# Altium PCB PCB.PcbDoc (part 3 of 4)
Units mil, origin at the board's own origin, x right, y up, seen from the top; angles counter-clockwise.
Board outline 2125.98 x 1181.1 mil, 6 copper layers (Top Layer, Inner Layer 1, Inner Layer 2, Inner Layer 3, Inner Layer 4, Bottom Layer), stack 60.866 mil thick; 220 components, 147 nets, 863 pads, 1478 vias.
Unrouted connection lines stored in the file: 463.
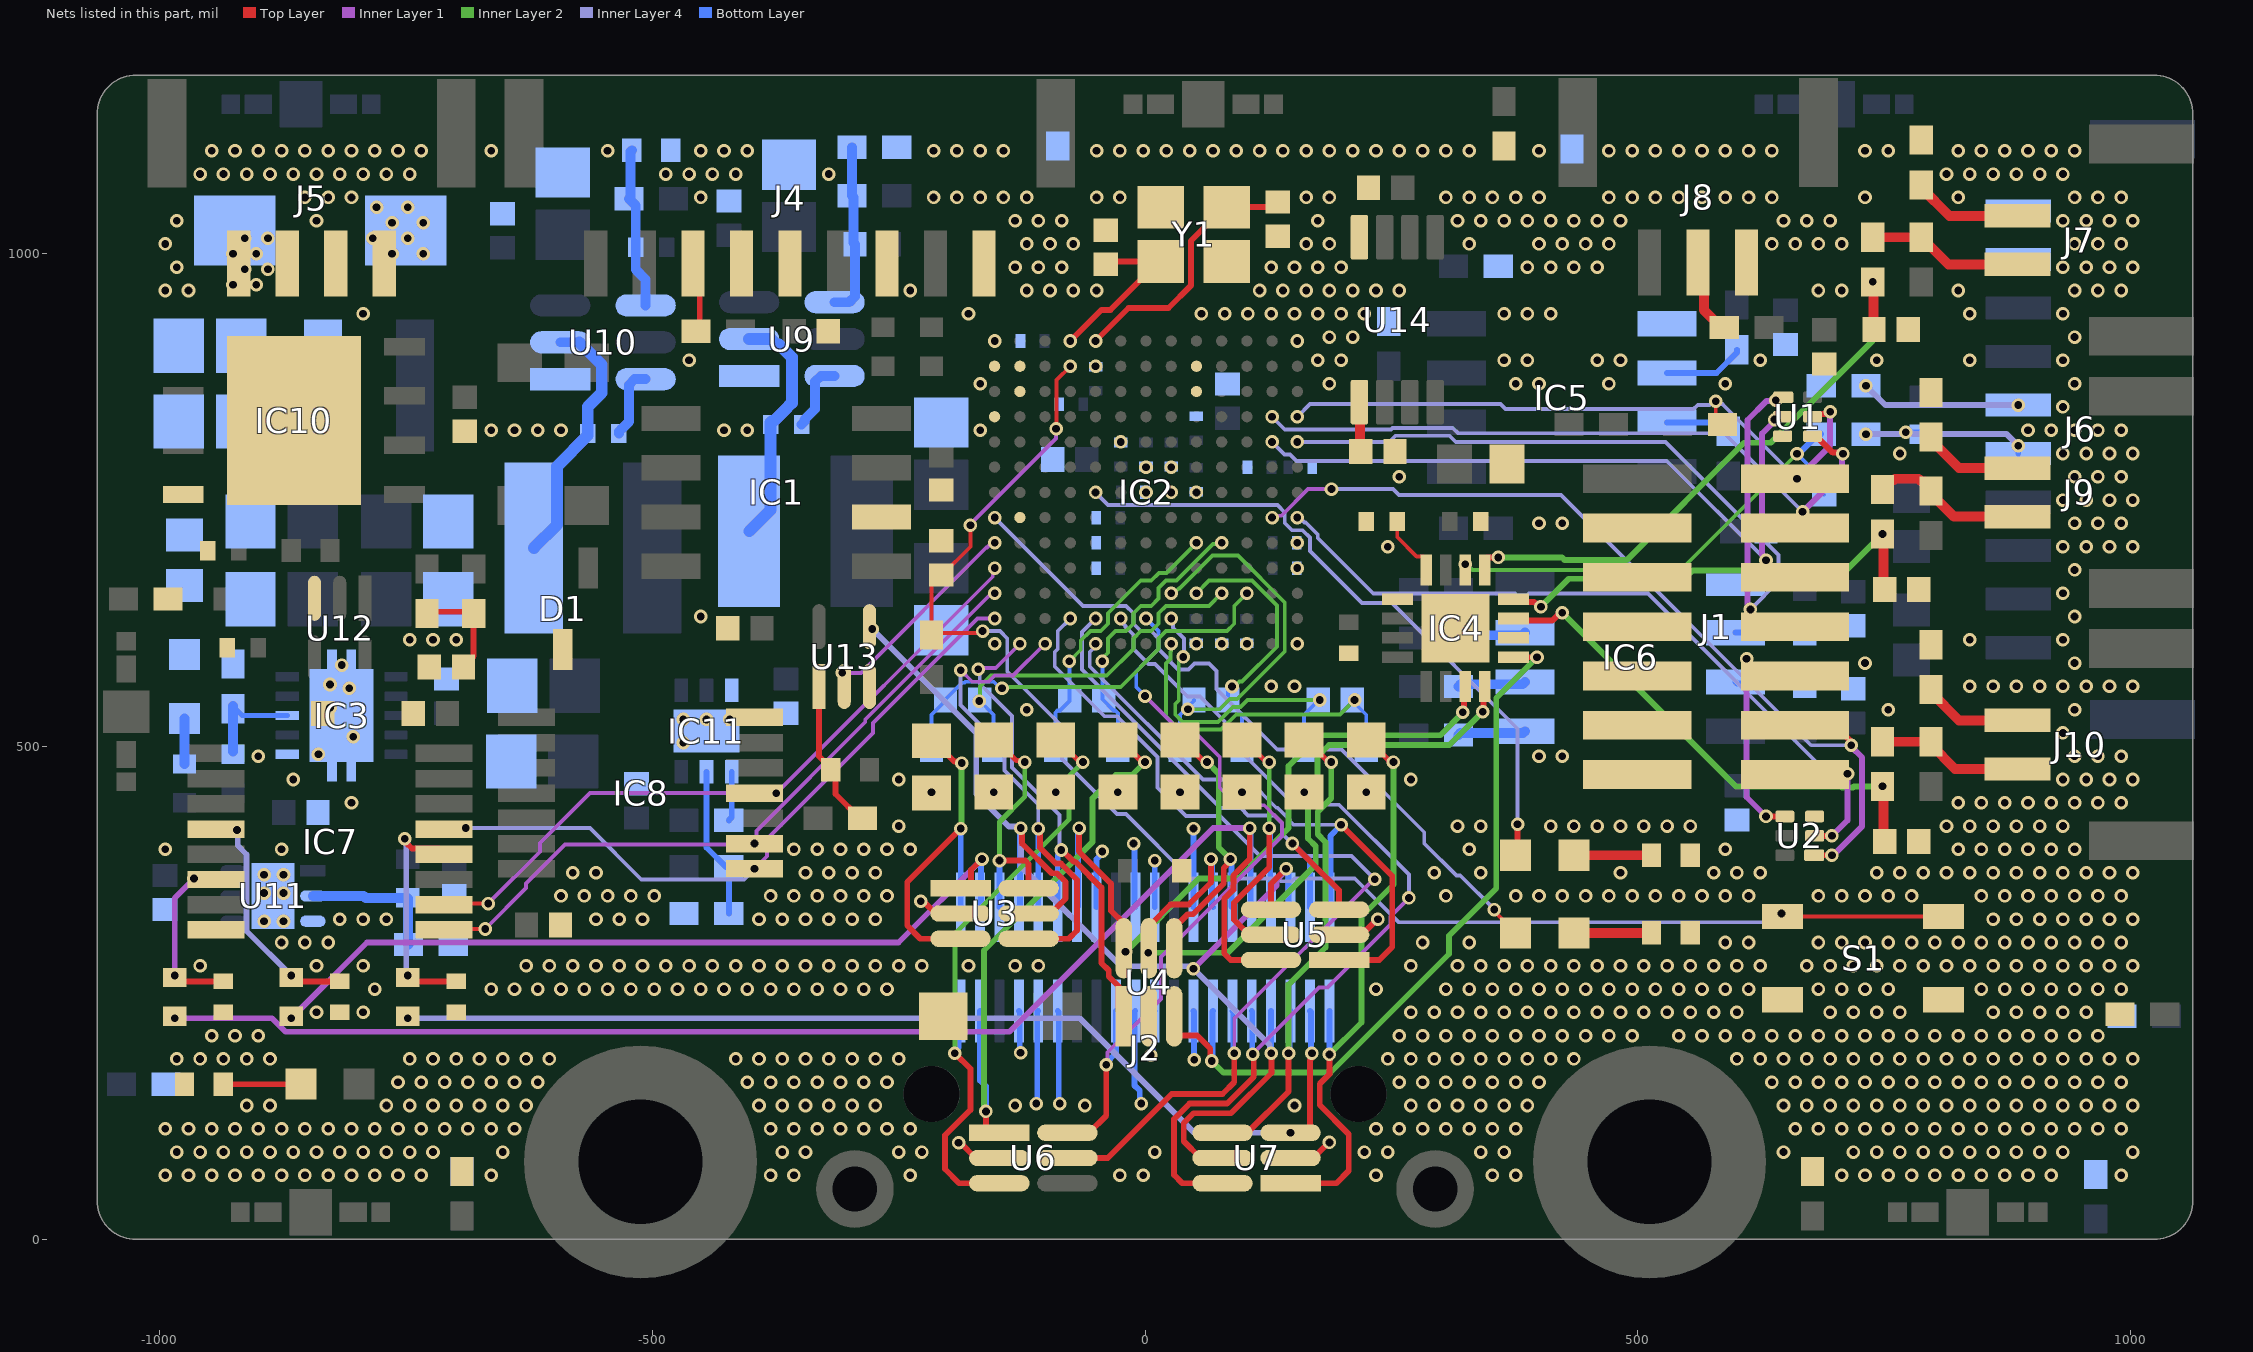
[diagram p7: the nets of this part, all layers, seen from the top]

## Via types
v1: diameter 13.78, hole 7.87, Top Layer to Bottom Layer, tented both sides, 1477 vias
v2: diameter 13.78/13.78/13.78/13.78/13.78/13.78 (per signal layer), hole 7.87, Top Layer to Bottom Layer, tented both sides, 1 vias

## Nets (pads, with @x,y where several pads share a name; then routed paths per layer and width w, separated by ;. In a path a pad name is that pad's centre, name@x,y a point inside that pad or via, vN(x,y) a via of type N, cw(c..) or ccw(c..) an arc to the next point about the centre after c; other vN are vias at no path point) (continued)
GND: C1.2 C2.1 C3.2 C4.2 C5.2 C6.2 C7.2 C8.2 C9.2 C10.2 C11.2 C12.2 C13.2 C14.2 C15.2 C16.2 C17.2 C18.2 C20.2 C21.2 C22.1 C24.1 C27.1 C28.1 C29.1 C30.1 C33.1 C34.1 C35.1 C36.1 C39.1 C40.1 C41.1 C42.1 C43.1 C46.1 C47.1 C48.1 C49.1 C50.1 C51.1 C53.1 C54.1 C55.1 C56.1 C57.1 C58.1 C59.2 C60.1 C61.1 C62.2 C63.1 C64.1 C65.1 C66.1 C67.2 C68.1 C69.1 C70.1 C71.1 C72.2 C73.1 C74.1 C75.1 C77.1 C78.1 C79.1 C80.2 C81.1 C82.1 C83.1 C84.1 D1.3 D5.2 D6.2 D8.2 DS1.2 IC1.2 IC2.A1 IC2.A13 IC2.E12 IC2.F9 IC2.G7 IC2.G8 IC2.H7 IC2.H8 IC2.J1 IC2.J7 IC2.K1 IC2.L1 IC2.N1 IC2.N4 IC2.N5 IC2.N13 IC3.6 IC3.11 IC3.12 IC3.13 IC3.14 IC3.15 IC4.2 IC4.9 IC4.17 IC5.5 IC6.5 IC7.8 IC8.7 IC10.4 IC10.9 IC11.3 IC11.7 J1.3 J1.5 J1.7 J1.9 J1.11 J1.13 J2.08 J2.10 J2.12 J2.15 J2.19 J2.20 J2.21 J2.22 J2.25 J2.26 J4.4 J4.5 J4.7 J4.9 J5.3 J5.4 J6.1 J6.2 J8.3 R6.2 R7.2 R8.2 R14.1 R16.1 R18.1 R21.1 R23.1 R25.1 R26.1 R33.1 R36.1 R41.1 R42.1 R59.1 R66.1 R67.1 R68.1 R69.1 R70.1 R71.1 R72.1 R73.1 R74.1 R75.1 R77.1 S1.3 S1.4 U1.3 U2.3 U3.2 U4.2 U5.2 U6.2 U7.2 U9.1 U10.1 U11.3 U11.7 U12.3 U13.3 U14.4 Y1.2 Y1.4 | length 862.2
  Top Layer w5.91: v1(-227.52,343.16) -226.01,341.65 -223.35,341.65 -212.41,330.71 U3.2@-187.14,330.71 ; v1(-189.11,98.05) -187.31,98.05 -171.94,82.68 U6.2@-147.77,82.68 ; U7.2@147.64,82.68 170.63,82.68 186.38,98.43 v1(187.01,98.43) ; U5.2@196.85,309.06 219.84,309.06 235.59,324.8 v1(236.22,324.8)
  Bottom Layer w5.91: J2.08@-127.95,231.69 -127.1,230.84 -127.1,190.27 v1(-126.25,189.42) ; v1(-110.24,137.8) -109.25,138.78 -109.25,230.71 J2.10@-108.27,231.69 ; J2.12@-88.58,231.69 -87.6,230.71 -87.6,138.78 v1(-86.61,137.8) ; J2.15@-49.21,337.01 -49.22,385.75 -43.41,391.56 v1(-43.41,393.69) ; v1(-11.58,401.57) -10.71,400.7 -10.71,337.88 J2.19@-9.84,337.01 ; J2.20@-9.84,231.69 -10.83,230.71 -10.83,156.5 -5.44,151.11 -5.44,139.3 v1(-3.94,137.8) ; v1(5.85,187.06) 5.85,189.19 7.8,191.14 7.8,229.65 J2.22@9.84,231.69 ; J2.21@9.84,337.01 v1(9.84,384.33) ; J2.26@49.21,231.69 49.63,231.28 49.63,182.66 v1(50.04,182.25) ; J2.25@49.21,337.01 v1(49.21,416.84)
  other v1: -994.01,65.02 -970.39,65.02 -946.77,65.02 -923.14,65.02 -899.52,65.02 -875.9,65.02 -852.28,65.02 -828.66,65.02 -805.03,65.02 -781.41,65.02 -757.79,65.02 -734.17,65.02 -663.3,65.02 -379.84,65.02 -356.22,65.02 -238.11,65.02 -25.51,65.02 -1.89,65.02 234.33,65.02 352.44,65.02 376.07,65.02 706.77,65.02 730.4,65.02 754.02,65.02 777.64,65.02 801.26,65.02 824.88,65.02 848.51,65.02 872.13,65.02 895.75,65.02 919.37,65.02 990.24,65.02 -982.2,88.64 -958.58,88.64 -934.96,88.64 -911.33,88.64 -887.71,88.64 -864.09,88.64 -840.47,88.64 -816.85,88.64 -793.22,88.64 -769.6,88.64 -745.98,88.64 -722.36,88.64 -651.49,88.64 -368.03,88.64 -344.4,88.64 -249.92,88.64 -226.29,88.64 9.93,88.64 222.52,88.64 246.14,88.64 340.63,88.64 364.25,88.64 647.72,88.64 718.58,88.64 742.21,88.64 765.83,88.64 789.45,88.64 813.07,88.64 836.69,88.64 860.32,88.64 883.94,88.64 907.56,88.64 931.18,88.64 1002.05,88.64 -994.01,112.27 -970.39,112.27 -946.77,112.27 -923.14,112.27 -899.52,112.27 -875.9,112.27 -852.28,112.27 -828.66,112.27 -805.03,112.27 -781.41,112.27 -757.79,112.27 -734.17,112.27 -710.55,112.27 -686.92,112.27 -663.3,112.27 -639.68,112.27 -379.84,112.27 -356.22,112.27 -332.59,112.27 -308.97,112.27 -285.35,112.27 -261.73,112.27 -238.11,112.27 234.33,112.27 257.96,112.27 281.58,112.27 305.2,112.27 328.82,112.27 352.44,112.27 376.07,112.27 659.53,112.27 683.15,112.27 706.77,112.27 730.4,112.27 754.02,112.27 777.64,112.27 801.26,112.27 824.88,112.27 848.51,112.27 872.13,112.27 895.75,112.27 919.37,112.27 942.99,112.27 966.62,112.27 990.24,112.27 -911.33,135.89 -887.71,135.89 -769.6,135.89 -745.98,135.89 -722.36,135.89 -698.74,135.89 -675.11,135.89 -651.49,135.89 -627.87,135.89 -391.65,135.89 -368.03,135.89 -344.4,135.89 -320.78,135.89 -297.16,135.89 -273.54,135.89 -131.81,135.89 -60.94,135.89 151.66,135.89 269.77,135.89 293.39,135.89 317.01,135.89 340.63,135.89 364.25,135.89 387.88,135.89 647.72,135.89 671.34,135.89 694.96,135.89 718.58,135.89 742.21,135.89 765.83,135.89 789.45,135.89 813.07,135.89 836.69,135.89 860.32,135.89 883.94,135.89 907.56,135.89 931.18,135.89 954.81,135.89 978.43,135.89 1002.05,135.89 -757.79,159.51 -734.17,159.51 -710.55,159.51 -686.92,159.51 -663.3,159.51 -639.68,159.51 -616.06,159.51 -403.46,159.51 -379.84,159.51 -356.22,159.51 -332.59,159.51 -308.97,159.51 -285.35,159.51 -261.73,159.51 257.96,159.51 281.58,159.51 305.2,159.51 328.82,159.51 352.44,159.51 376.07,159.51 399.69,159.51 635.91,159.51 659.53,159.51 683.15,159.51 706.77,159.51 730.4,159.51 754.02,159.51 777.64,159.51 801.26,159.51 824.88,159.51 848.51,159.51 872.13,159.51 895.75,159.51 919.37,159.51 942.99,159.51 966.62,159.51 990.24,159.51 -982.2,183.13 -958.58,183.13 -934.96,183.13 -911.33,183.13 -887.71,183.13 -745.98,183.13 -722.36,183.13 -698.74,183.13 -675.11,183.13 -651.49,183.13 -627.87,183.13 -604.25,183.13 -415.27,183.13 -391.65,183.13 -368.03,183.13 -344.4,183.13 -320.78,183.13 -297.16,183.13 -273.54,183.13 -249.92,183.13 246.14,183.13 269.77,183.13 293.39,183.13 317.01,183.13 340.63,183.13 364.25,183.13 387.88,183.13 411.5,183.13 435.12,183.13 600.47,183.13 624.1,183.13 647.72,183.13 671.34,183.13 694.96,183.13 718.58,183.13 742.21,183.13 765.83,183.13 789.45,183.13 813.07,183.13 836.69,183.13 860.32,183.13 883.94,183.13 907.56,183.13 931.18,183.13 954.81,183.13 978.43,183.13 1002.05,183.13 -946.77,206.75 -923.14,206.75 -899.52,206.75 257.96,206.75 281.58,206.75 305.2,206.75 328.82,206.75 352.44,206.75 376.07,206.75 399.69,206.75 423.31,206.75 446.93,206.75 470.55,206.75 494.18,206.75 541.42,206.75 565.04,206.75 588.66,206.75 612.29,206.75 635.91,206.75 659.53,206.75 683.15,206.75 706.77,206.75 730.4,206.75 754.02,206.75 777.64,206.75 801.26,206.75 824.88,206.75 848.51,206.75 872.13,206.75 895.75,206.75 919.37,206.75 942.99,206.75 966.62,206.75 -840.47,230.38 -793.22,230.38 269.77,230.38 293.39,230.38 317.01,230.38 340.63,230.38 364.25,230.38 387.88,230.38 411.5,230.38 435.12,230.38 458.74,230.38 482.36,230.38 505.99,230.38 529.61,230.38 553.23,230.38 576.85,230.38 600.47,230.38 694.96,230.38 718.58,230.38 742.21,230.38 765.83,230.38 860.32,230.38 883.94,230.38 907.56,230.38 931.18,230.38 954.81,230.38 -781.41,254 -663.3,254 -639.68,254 -616.06,254 -592.44,254 -568.81,254 -545.19,254 -521.57,254 -497.95,254 -474.33,254 -450.7,254 -427.08,254 -403.46,254 -379.84,254 -356.22,254 -332.59,254 -308.97,254 -285.35,254 -261.73,254 234.33,254 305.2,254 328.82,254 352.44,254 376.07,254 399.69,254 423.31,254 446.93,254 470.55,254 494.18,254 517.8,254 541.42,254 565.04,254 588.66,254 612.29,254 683.15,254 706.77,254 730.4,254 754.02,254 848.51,254 872.13,254 895.75,254 919.37,254 942.99,254 966.62,254 990.24,254 -958.58,277.62 -840.47,277.62 -793.22,277.62 -627.87,277.62 -604.25,277.62 -580.62,277.62 -557,277.62 -533.38,277.62 -509.76,277.62 -486.14,277.62 -462.51,277.62 -438.89,277.62 -415.27,277.62 -391.65,277.62 -368.03,277.62 -344.4,277.62 -320.78,277.62 -297.16,277.62 -273.54,277.62 -249.92,277.62 -226.29,277.62 -179.05,277.62 -131.81,277.62 -108.18,277.62 269.77,277.62 317.01,277.62 340.63,277.62 364.25,277.62 387.88,277.62 411.5,277.62 435.12,277.62 458.74,277.62 482.36,277.62 505.99,277.62 529.61,277.62 553.23,277.62 576.85,277.62 600.47,277.62 624.1,277.62 671.34,277.62 694.96,277.62 718.58,277.62 742.21,277.62 765.83,277.62 789.45,277.62 813.07,277.62 836.69,277.62 860.32,277.62 883.94,277.62 907.56,277.62 931.18,277.62 954.81,277.62 978.43,277.62 1002.05,277.62 -875.9,301.24 -852.28,301.24 -828.66,301.24 281.58,301.24 328.82,301.24 588.66,301.24 612.29,301.24 683.15,301.24 706.77,301.24 730.4,301.24 754.02,301.24 777.64,301.24 801.26,301.24 824.88,301.24 848.51,301.24 872.13,301.24 895.75,301.24 919.37,301.24 942.99,301.24 966.62,301.24 990.24,301.24 -893.7,322.83 -874.02,322.83 -816.85,324.86 -793.22,324.86 -769.6,324.86 -557,324.86 -533.38,324.86 -509.76,324.86 -391.65,324.86 -368.03,324.86 -344.4,324.86 -320.78,324.86 -297.16,324.86 -273.54,324.86 860.32,324.86 883.94,324.86 907.56,324.86 931.18,324.86 954.81,324.86 978.43,324.86 1002.05,324.86 -592.44,348.49 -568.81,348.49 -545.19,348.49 -521.57,348.49 -497.95,348.49 -379.84,348.49 -356.22,348.49 -332.59,348.49 -308.97,348.49 -285.35,348.49 -261.73,348.49 305.2,348.49 376.07,348.49 399.69,348.49 423.31,348.49 446.93,348.49 470.55,348.49 494.18,348.49 517.8,348.49 541.42,348.49 565.04,348.49 588.66,348.49 612.29,348.49 683.15,348.49 706.77,348.49 730.4,348.49 754.02,348.49 777.64,348.49 848.51,348.49 872.13,348.49 895.75,348.49 919.37,348.49 942.99,348.49 966.62,348.49 990.24,348.49 -893.7,351.38 -874.02,351.38 -893.7,370.08 -874.02,370.08 -580.62,372.11 -557,372.11 -344.4,372.11 -320.78,372.11 -297.16,372.11 -273.54,372.11 293.39,372.11 340.63,372.11 482.36,372.11 576.85,372.11 600.47,372.11 624.1,372.11 742.21,372.11 765.83,372.11 789.45,372.11 813.07,372.11 836.69,372.11 860.32,372.11 883.94,372.11 907.56,372.11 931.18,372.11 954.81,372.11 978.43,372.11 1002.05,372.11 -994.01,395.73 -875.9,395.73 -356.22,395.73 -332.59,395.73 -308.97,395.73 -285.35,395.73 -261.73,395.73 -238.11,395.73 328.82,395.73 588.66,395.73 824.88,395.73 848.51,395.73 872.13,395.73 895.75,395.73 919.37,395.73 942.99,395.73 -249.92,419.35 317.01,419.35 340.63,419.35 411.5,419.35 435.12,419.35 458.74,419.35 482.36,419.35 505.99,419.35 529.61,419.35 553.23,419.35 813.07,419.35 836.69,419.35 860.32,419.35 883.94,419.35 907.56,419.35 931.18,419.35 -805.03,442.97 824.88,442.97 848.51,442.97 872.13,442.97 895.75,442.97 919.37,442.97 942.99,442.97 966.62,442.97 990.24,442.97 -864.09,466.6 -249.92,466.6 269.77,466.6 931.18,466.6 954.81,466.6 978.43,466.6 1002.05,466.6 -899.52,490.22 399.69,490.22 423.31,490.22 942.99,490.22 966.62,490.22 990.24,490.22 -838.58,492.13 -468.5,503.94 -803.15,510.04 931.18,513.84 -468.5,527.56 -444.88,527.56 -421.26,527.56 -120,537.46 754.02,537.46 942.99,537.46 -826.77,539.37 -807.17,559.06 128.04,561.08 151.66,561.08 836.69,561.08 860.32,561.08 883.94,561.08 907.56,561.08 931.18,561.08 954.81,561.08 978.43,561.08 1002.05,561.08 -826.77,562.99 -814.96,582.68 730.4,584.71 942.99,584.71 -152.56,604.33 52.17,604.33 77.76,604.33 103.35,604.33 154.53,604.33 -745.98,608.33 -722.36,608.33 -698.74,608.33 836.69,608.33 931.18,608.33 -450.7,631.95 942.99,631.95 931.18,655.57 942.99,679.19 154.53,681.1 246.14,702.82 931.18,702.82 954.81,702.82 978.43,702.82 1002.05,702.82 154.53,706.69 399.69,726.44 423.31,726.44 942.99,726.44 966.62,726.44 990.24,726.44 931.18,750.06 954.81,750.06 978.43,750.06 1002.05,750.06 0.98,757.87 26.57,757.87 52.17,757.87 257.96,773.68 942.99,773.68 966.62,773.68 990.24,773.68 0.98,783.46 26.57,783.46 765.83,797.3 931.18,797.3 954.81,797.3 978.43,797.3 1002.05,797.3 -24.61,809.06 -663.3,820.93 -639.68,820.93 -616.06,820.93 -592.44,820.93 -427.08,820.93 -403.46,820.93 -167.24,820.93 895.75,820.93 919.37,820.93 942.99,820.93 966.62,820.93 990.24,820.93 931.18,844.55 -167.24,868.17 187.09,868.17 376.07,868.17 399.69,868.17 470.55,868.17 588.66,868.17 942.99,868.17 -50.2,885.83 -462.51,891.79 175.28,891.79 198.9,891.79 364.25,891.79 387.88,891.79 458.74,891.79 482.36,891.79 624.1,891.79 742.21,891.79 836.69,891.79 931.18,891.79 -152.56,911.42 154.53,911.42 187.09,915.41 210.71,915.41 942.99,915.41 -793.22,939.04 -179.05,939.04 57.17,939.04 80.79,939.04 104.41,939.04 128.04,939.04 151.66,939.04 175.28,939.04 198.9,939.04 222.52,939.04 364.25,939.04 387.88,939.04 411.5,939.04 836.69,939.04 931.18,939.04 -994.01,962.66 -970.39,962.66 -238.11,962.66 -120,962.66 -96.37,962.66 -72.75,962.66 -49.13,962.66 116.22,962.66 139.85,962.66 163.47,962.66 187.09,962.66 210.71,962.66 234.33,962.66 257.96,962.66 683.15,962.66 706.77,962.66 824.88,962.66 942.99,962.66 966.62,962.66 990.24,962.66 -982.2,986.28 -131.81,986.28 -108.18,986.28 -84.56,986.28 128.04,986.28 151.66,986.28 175.28,986.28 198.9,986.28 387.88,986.28 411.5,986.28 435.12,986.28 458.74,986.28 931.18,986.28 954.81,986.28 978.43,986.28 1002.05,986.28 -763.78,1000 -732.28,1000 -994.01,1009.9 -120,1009.9 -96.37,1009.9 -72.75,1009.9 163.47,1009.9 187.09,1009.9 328.82,1009.9 399.69,1009.9 423.31,1009.9 446.93,1009.9 470.55,1009.9 635.91,1009.9 659.53,1009.9 683.15,1009.9 706.77,1009.9 942.99,1009.9 966.62,1009.9 990.24,1009.9 -783.46,1015.75 -748.03,1015.75 -763.78,1031.5 -732.28,1031.5 -982.2,1033.52 -840.47,1033.52 -131.81,1033.52 -108.18,1033.52 -84.56,1033.52 175.28,1033.52 317.01,1033.52 340.63,1033.52 364.25,1033.52 387.88,1033.52 411.5,1033.52 435.12,1033.52 458.74,1033.52 482.36,1033.52 647.72,1033.52 671.34,1033.52 694.96,1033.52 931.18,1033.52 954.81,1033.52 978.43,1033.52 1002.05,1033.52 -779.53,1047.24 -748.03,1047.24 -852.28,1057.15 -828.66,1057.15 -805.03,1057.15 -450.7,1057.15 -214.48,1057.15 -190.86,1057.15 -167.24,1057.15 -143.62,1057.15 -120,1057.15 -49.13,1057.15 -25.51,1057.15 163.47,1057.15 187.09,1057.15 305.2,1057.15 328.82,1057.15 352.44,1057.15 376.07,1057.15 399.69,1057.15 470.55,1057.15 494.18,1057.15 517.8,1057.15 541.42,1057.15 565.04,1057.15 588.66,1057.15 612.29,1057.15 635.91,1057.15 730.4,1057.15 824.88,1057.15 942.99,1057.15 966.62,1057.15 990.24,1057.15 -958.58,1080.77 -934.96,1080.77 -911.33,1080.77 -887.71,1080.77 -864.09,1080.77 -840.47,1080.77 -816.85,1080.77 -793.22,1080.77 -769.6,1080.77 -745.98,1080.77 -486.14,1080.77 -462.51,1080.77 -438.89,1080.77 -415.27,1080.77 -320.78,1080.77 813.07,1080.77 836.69,1080.77 860.32,1080.77 883.94,1080.77 907.56,1080.77 931.18,1080.77 -946.77,1104.39 -923.14,1104.39 -899.52,1104.39 -875.9,1104.39 -852.28,1104.39 -828.66,1104.39 -805.03,1104.39 -781.41,1104.39 -757.79,1104.39 -734.17,1104.39 -663.3,1104.39 -545.19,1104.39 -450.7,1104.39 -427.08,1104.39 -403.46,1104.39 -214.48,1104.39 -190.86,1104.39 -167.24,1104.39 -143.62,1104.39 -49.13,1104.39 -25.51,1104.39 -1.89,1104.39 21.74,1104.39 45.36,1104.39 68.98,1104.39 92.6,1104.39 116.22,1104.39 139.85,1104.39 163.47,1104.39 187.09,1104.39 210.71,1104.39 234.33,1104.39 257.96,1104.39 281.58,1104.39 305.2,1104.39 328.82,1104.39 399.69,1104.39 470.55,1104.39 494.18,1104.39 517.8,1104.39 541.42,1104.39 565.04,1104.39 588.66,1104.39 612.29,1104.39 635.91,1104.39 730.4,1104.39 754.02,1104.39 824.88,1104.39 848.51,1104.39 872.13,1104.39 895.75,1104.39 919.37,1104.39 942.99,1104.39
I2C_SCL: IC2.J11
I2C_SDA: IC2.J12
LED1_4: D4.2 IC2.E7 | length 670.8
  Top Layer w5.91: D4.2@375.98,389.76 377.95,391.73 v1(377.95,421.26)
  Inner Layer 4 w3.94: v1(-50.2,757.87) -37.4,745.08 134.24,745.08 141.73,737.58 141.73,726.98 149.23,719.49 159.83,719.49 167.32,711.99 167.32,698.31 214.87,650.77 219.96,645.67 250.38,645.67 377.95,518.1 v1(377.95,421.26)
LED2_4: D3.2 IC2.A6 | length 739.5
  Top Layer w3.94: v1(354.33,334.65) 354.33,332.68 D3.2@375.98,311.02
  Inner Layer 4 w3.94: v1(-152.56,732.28) -62.99,642.72 -19.31,642.72 -11.81,635.22 -11.81,624.62 -4.32,617.13 6.28,617.13 13.78,609.63 13.78,599.03 25.96,586.85 25.96,585.65 33.46,578.15 44.06,578.15 50.09,584.19 65.02,584.19 72.55,576.66 72.55,558.6 134.1,497.05 199.2,497.05 283.2,413.04 283.2,401.84 315.86,369.18 319.79,369.18 v1(354.33,334.65)
M_TEMP_1: C50.2 IC4.6 R24.1 | length 474.2
  Inner Layer 2 w3.94: v1(324.8,685.04) 326.13,685.04 332.03,679.13 387.6,679.13 543.5,679.13 v1(661.42,797.05)
  Bottom Layer w3.94: v1(661.42,797.05) 678.35,780.12 678.35,765.35 688.19,755.51 C50.2@688.98,755.51
  Bottom Layer w6: v1(661.42,797.05) 663.19,797.05 683.07,816.93 R24.1@686.02,816.93
MCU_RXD_4: IC2.M6 J1.12 U2.1 | length 922.7
  Top Layer w6: J1.12@659.45,521.65 699.8,521.65 715.43,506.03 715.43,502.48 v1(716.54,501.38) ; U2.1@678.74,389.76 v1(696.85,389.76)
  Inner Layer 1 w3.94: v1(128.94,732.28) 130.82,734.17 138.32,734.17 165.39,761.24 v1(189.17,761.24)
  Inner Layer 1 w6: v1(696.85,389.76) 698.13,389.76 727.43,419.06 727.43,488.92 716.54,499.81 v1(716.54,501.38)
  Inner Layer 4 w3.94: v1@188.98,761.05 v1(189.17,761.24) 251.37,761.24 257.5,755.12 422.05,755.12 675.79,501.38 v1(716.54,501.38)
MCU_TCK_4: IC2.M10 J1.4 U1.4 | length 713
  Top Layer w6: J1.4@659.45,721.65 667.06,729.26 v1(667.06,738.19) ; U1.4@677.17,814.96 680.91,814.96 697.71,798.15 706.9,798.15 v1(708,797.05)
  Inner Layer 1 w6: v1(667.06,738.19) 707.03,778.16 707.03,796.07 v1(708,797.05)
  Inner Layer 4 w3.94: v1(128.94,834.65) 141.73,821.85 249.39,821.85 250.77,823.23 312.22,823.23 317.53,817.91 587.33,817.91 v1(667.06,738.19)
MCU_TDI_4: IC2.N9 J1.8 U1.1 | length 903.8
  Top Layer w6: v1(614.17,639.17) 614.17,632.22 624.74,621.65 J1.8@659.45,621.65 ; v1(639.76,851.38) 642.2,851.38 645.15,854.33 U1.1@647.44,854.33
  Inner Layer 1 w6: v1(614.17,639.17) 614.17,640.74 611.16,643.75 611.16,831.24 630.29,850.38 638.76,850.38 v1(639.76,851.38)
  Inner Layer 4 w3.94: v1(154.53,809.06) 247.73,809.06 254.03,815.35 308.96,815.35 315.26,809.06 528.1,809.06 642.73,694.43 642.73,667.73 v1(614.17,639.17)
MCU_TDO_4: IC2.M9 J1.6 U1.2 | length 750.3
  Top Layer w6: v1(629.94,689.13) 629.94,682.22 640.5,671.65 J1.6@659.45,671.65 ; v1(638.66,831.68) 641.63,834.65 U1.2@646.85,834.65
  Inner Layer 1 w6: v1(629.94,689.13) 629.94,690.69 625.98,694.64 625.98,817.65 638.66,830.33 v1(638.66,831.68)
  Inner Layer 4 w3.94: v1(128.94,809.06) 141.62,796.37 147.08,796.37 153.68,789.76 529.3,789.76 v1(629.94,689.13)
MCU_TMS_4: IC2.N10 J1.2 R3.1 U1.5 | length 680.8
  Top Layer w3.94: v1(579.02,850.29) 579.02,833.38 R3.1@585.63,826.77
  Top Layer w6: U1.5@677.17,834.65 680.07,837.55 690.95,837.55 692.97,839.57 v1(695.07,839.57)
  Inner Layer 1 w6: v1(661.42,771.65) 695.07,805.31 v1(695.07,839.57)
  Inner Layer 4 w3.94: v1(154.53,834.65) 167.32,847.44 360.77,847.44 365.8,842.41 556.53,842.41 560.71,846.6 572.66,846.6 574.47,848.41 576.93,848.41 v1@578.74,846.6 ; v1(579.02,850.29) 579.02,846.88 v1@578.74,846.6 ; v1@581.4,846.6 v1@578.74,846.6 ; v1@581.4,847.44 585.63,847.44 586.61,846.46 v1(661.42,771.65)
MCU_TXD_4: IC2.N6 J1.14 U2.2 | length 756.3
  Top Layer w6: U2.2@679.33,409.45 v1(696.85,409.45)
  Inner Layer 1 w6: v1(696.85,409.45) 712.6,425.2 v1(712.6,472.44)
  Inner Layer 4 w3.94: v1(154.53,732.28) 156.83,732.28 161.76,727.36 163.09,727.36 175.2,715.25 175.2,711.61 231.53,655.29 375.26,655.29 377,653.54 387.6,653.54 389.35,655.29 510.07,655.29 692.91,472.44 v1(712.6,472.44)
NetC2_2: C2.2 R1.2 R2.2 | length 109.6
  Top Layer w6: R2.2@-726.38,636.81 R1.2@-681.1,636.81 ; C2.2@-691.34,580.71 -691.34,581.5 -681.1,591.73 R1.2@-681.1,636.81 ; R1.2@-685.04,636.81 R1.2@-681.1,636.81
NetC24_2: C24.2 U14.5 | length 50.8
  Top Layer w10: U14.5@217.52,849.41 218.21,848.72 218.21,799.9 C24.2@218.9,799.21
NetC26_1: C26.1 U9.6 | length 71.2
  Bottom Layer w10: C26.1@-348.43,826.77 -345.55,829.65 -345.55,831.61 -334.65,842.52 -334.65,870.2 -328.86,875.98 U9.6@-314.96,875.98
NetC26_2: C26.2 L1.1 U9.2 | length 246.5
  Bottom Layer w12: U9.2@-401.6,913.39 -379.41,913.39 -374.15,908.12 -371.38,908.12 -358.27,895.01 -358.27,848.7 -366.24,840.73 -366.24,840.46 -376.08,830.61 -378.05,830.61 -379.92,828.74 C26.2@-379.92,826.77 -379.92,740.16 L1.1@-401.57,718.5
NetC31_1: C31.1 R13.1 R14.2 U9.4 | length 175.8
  Bottom Layer w10: U9.4@-314.96,950.79 -300.01,950.79 -294.23,956.57 C31.1@-294.23,1009.56 -295.7,1011.04 -295.7,1057.3 R13.1@-297.18,1058.77 R14.2@-297.18,1107.99
NetC32_1: C32.1 U10.6 | length 73.1
  Bottom Layer w10: C32.1@-533.78,817.61 -533.78,819.58 -530.91,822.45 -530.65,822.45 -523.62,829.48 -523.62,866.94 -517.84,872.73 U10.6@-506.64,872.73
NetC32_2: C32.2 L2.1 U10.2 | length 265.9
  Bottom Layer w10: U10.2@-593.28,910.13 U10.2@-573.94,910.13
  Bottom Layer w12: L2.1@-620.02,701.47 -596.49,725 -596.49,784.43 -565.28,815.64 C32.2@-565.28,817.61 -565.28,844.81 -551.18,858.91 -551.18,887.37 U10.2@-573.94,910.13
NetC37_1: C37.1 R15.1 R16.2 U10.4 | length 165.8
  Bottom Layer w10: R16.2@-520.61,1105.01 -522.08,1103.54 -522.08,1057.28 R15.1@-523.56,1055.8 -523.48,1055.8 -516.67,1048.99 -516.67,983.99 -506.64,973.95 U10.4@-506.64,947.53
NetC44_1: C44.1 C45.1 R23.2
NetC48_2: C48.2 C49.2 D8.1 J5.1 J5.2 L3.2
  other v1: -925.2,968.5 -901.57,968.5 -913.39,984.25 -889.76,984.25 -925.2,1000 -901.57,1000 -913.39,1015.75 -889.76,1015.75
NetC56_2: C56.2 IC4.8 | length 64.9
  Top Layer w3.94: C56.2@255.91,728.35 255.91,712.6 275.59,692.91 281.5,692.91 285.43,688.98 IC4.8@285.43,679.13
NetD2_1: D2.1 R6.1 | length 78.7
  Top Layer w6: R6.1@-935.04,157.48 D2.1@-856.3,157.48
NetD3_1: D3.1 R7.1 | length 78.7
  Top Layer w10: D3.1@435.04,311.02 R7.1@513.78,311.02
NetD4_1: D4.1 R8.1 | length 78.7
  Top Layer w10: D4.1@435.04,389.76 R8.1@513.78,389.76
NetDS1_1: DS1.1 R19.1 | length 46.3
  Bottom Layer w10: R19.1@-974.41,482.28 DS1.1@-974.41,528.54